# Allegro board WNS_FDM_2V1-1221P2.brd (continued)
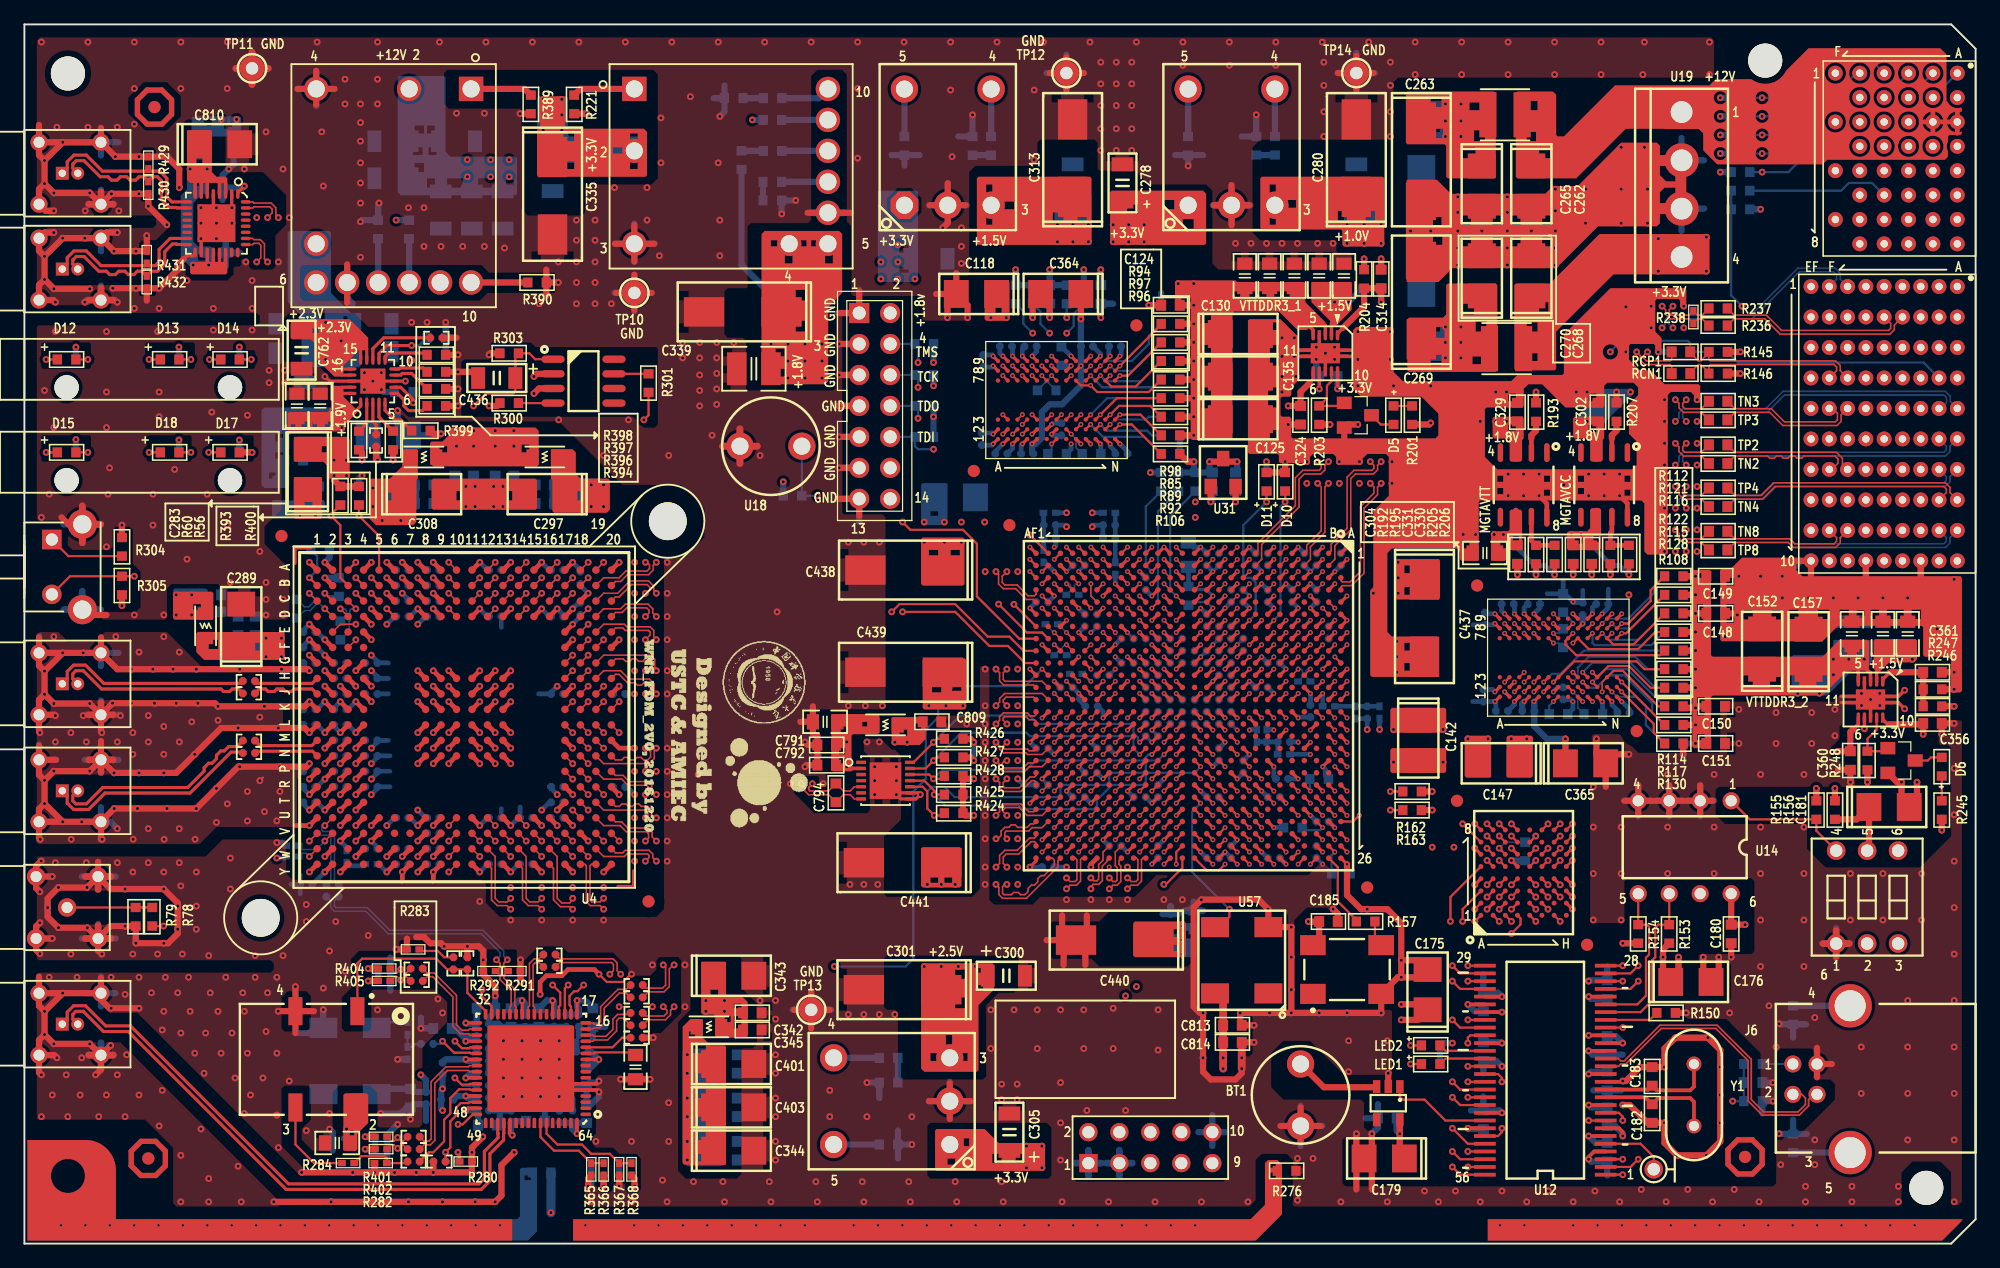
[diagram p0: board, top side]
## Routing (per net, layer and track width the routed paths; a pad name or vN(x,y) marks a point on that pad's centre or on a via; arc(x,y) is an arc through that point) (continued)
FD14: length 70.6
  TOP w0.178: U15.R22 v1(93.45,35.12) ; v2(132.33,6.92) 131.7,6.29 U12.2
  ART08 w0.119: v1(93.45,35.12) 93.45,34.82 93.92,34.35 93.92,33.85 93.68,33.61 93.17,33.61 92.96,33.4 92.96,30.73 92.33,30.1 92.33,13.24 94.65,10.92 100.11,10.92 103.03,8 107.44,8 110.11,5.33 129.67,5.33 130.68,6.35 131.76,6.35 v2(132.33,6.92)
FD15: length 71.4
  TOP w0.178: U15.U20 v1(91.45,37.12) ; U12.3 v2(131.06,6.92)
  ART08 w0.119: v1(91.45,37.12) 91.96,36.61 92.68,36.61 92.96,36.32 92.96,35.94 93.29,35.61 93.67,35.61 93.98,35.31 93.98,34.92 94.31,34.59 94.69,34.59 94.93,34.35 94.93,33.85 94.71,33.62 94.2,33.62 93.98,33.4 93.98,30.86 92.71,29.59 92.71,22.73 93.6,21.84 93.6,12.51 94.8,11.3 105.93,11.3 111.51,5.71 129.29,5.71 130.49,6.92 v2(131.06,6.92)
FIFOADR0: length 41.8
  TOP w0.178: U12.44 v2(118.36,13.27) ; U15.R20 v1(93.45,37.12)
  ART03 w0.119: v1(93.45,37.12) 93.92,36.65 94.67,36.65 95.08,36.23 95.08,35.73 95.38,35.43 95.38,34.92 96.94,33.36 96.94,32.85 97.16,32.64 97.66,32.64 97.98,32.32 97.98,30.92 100.68,28.23 102.58,28.23 105.14,25.67 111.49,25.67 114.05,23.11 114.05,17.59 v2(118.36,13.27)
FIFOADR1: length 36
  TOP w0.178: U12.45 117.73,12.64 v2(117.09,13.27) ; U15.M26 v1(97.45,31.12)
  ART08 w0.119: v1(97.45,31.12) 97.45,30.18 99.57,28.06 102.24,28.06 102.87,27.43 102.87,25.65 104.52,24 104.52,18.51 105.76,17.27 114.02,17.27 117.09,14.19 v2(117.09,13.27)
FLAGA: length 39.7
  TOP w0.178: U12.36 v2(118.36,18.35) ; U15.P16 v1(94.45,41.12)
  ART03 w0.119: v2(118.36,18.35) 118.36,18.8 116.08,21.08 116.08,23.88 111.51,28.45 106.3,28.45 104.65,30.1 103.79,30.1 102.93,30.96 102.93,31.37 102.36,31.94 102.36,32.89 101.65,33.6 101.27,33.6 100.97,33.91 100.97,34.29 100.65,34.61 100.27,34.61 99.95,34.92 99.95,35.31 98.63,36.63 98.25,36.63 97.97,36.91 97.97,37.29 97.66,37.59 97.28,37.59 96.97,37.9 96.97,38.29 96.65,38.61 96.14,38.61 95.38,39.37 95.38,40.51 94.77,41.12 v1(94.45,41.12)
FLAGB: length 42.3
  TOP w0.178: U15.R16 v1(93.45,41.12) ; v2(117.09,18.35) 117.73,17.72 U12.37
  ART03 w0.119: v1(93.45,41.12) 93.93,40.64 94.61,40.64 95,40.26 95,38.73 96.14,37.59 96.65,37.59 96.94,37.3 96.94,35.9 97.21,35.63 97.72,35.63 97.97,35.38 97.97,34.87 98.24,34.6 98.75,34.6 98.93,34.42 98.93,33.91 99.23,33.61 99.74,33.61 99.95,33.4 99.95,32.89 100.2,32.64 100.71,32.64 100.97,32.38 100.97,30.61 102.23,29.34 104.27,29.34 105.92,27.69 106.17,27.69 107.07,26.79 111.97,26.79 115.19,23.56 115.19,20.26 v2(117.09,18.35)
FLAGC: length 40
  TOP w0.178: U15.P19 v1(94.45,38.12) ; U12.38 118.54,17.08 118.36,16.9 v2(118.36,16.45)
  ART03 w0.119: v1(94.45,38.12) 94.47,38.12 95.89,36.7 95.89,35.94 96.2,35.63 96.71,35.63 96.94,35.39 96.94,34.89 97.2,34.62 97.71,34.62 97.96,34.37 97.96,33.87 98.22,33.6 98.73,33.6 98.93,33.4 98.93,32.89 99.19,32.64 99.69,32.64 99.98,32.35 99.98,30.86 101.89,28.96 104.01,28.96 105.66,27.3 106.05,27.3 106.95,26.4 111.83,26.4 114.81,23.43 114.81,19.56 117.22,17.14 117.67,17.14 v2(118.36,16.45)
FLAGD/SLCS#: length 43.8
  TOP w0.178: U12.47 117.73,11.37 v2(117.09,12) ; U15.M20 v1(97.45,37.12)
  ART03 w0.119: v1(97.45,37.12) 97.45,36.91 97.98,36.39 97.98,35.88 98.27,35.59 98.65,35.59 98.93,35.31 98.93,34.92 99.27,34.59 99.65,34.59 99.95,34.29 99.95,33.91 100.25,33.6 100.71,33.6 100.97,33.35 100.97,32.89 101.22,32.64 101.6,32.64 101.98,32.26 101.98,30.86 103.12,29.72 104.52,29.72 106.17,28.07 111.38,28.07 115.57,23.88 115.57,20.83 117.73,18.67 117.73,17.91 119,16.64 119,13.08 118.62,12.7 117.79,12.7 v2(117.09,12)
FOE_B: length 33.4
  TOP w0.178: R162.2 v2(112.01,37.08) ; U15.M17 v1(97.45,40.12) ; U17.F8 v2(124.94,34.43)
  ART08 w0.119: v2(124.94,34.43) 121.65,37.72 112.65,37.72 v2(112.01,37.08) 109.22,39.88 109.22,40.13 108.71,40.64 97.97,40.64 v1(97.45,40.12)
FPGA_CLK: length 13.1
  TOP w0.178: v2(98.81,27.43) 98.81,26.8 97.97,25.96 U57.3 ; U15.N21 v1(96.45,36.12)
  BOTTOM w0.178: v2(98.81,27.43) 95.76,30.48 95.76,35.42 v1(96.45,36.12)
FPGA_CLK3+: length 86.7
  TOP w0.124: U15.AC9 v1(85.45,49.12) ; C454.1 43.91,23.05 48.15,23.05 48.3,22.9 48.3,22.39 v2(48.01,22.1)
  ART08 w0.102: 91.11,31.78 91.11,31.8 91.05,31.86 91.05,33.39 91.19,33.52 91.8,33.52 92.05,33.77 92.05,35.58 91.05,36.58 91.05,39.39 91.19,39.52 91.8,39.52 92.05,39.77 92.05,46.47 91.8,46.72 91.11,46.72 90.11,47.72 86.01,47.72 85.05,48.68 85.05,49.02 85.16,49.12 v1(85.45,49.12)
  ART08 w0.109: v2(48.01,22.1) 48.31,21.79 48.31,21.44 48.6,21.15 89.41,21.15 90.99,22.73 90.99,26.54 91.37,26.92 91.37,31.31 91.11,31.57 91.11,31.78
  BOTTOM w0.124: R369.2 85.1,48.62 85.1,48.9 85.33,49.12 v1(85.45,49.12)
FPGA_CLK3-: length 86.2
  TOP w0.124: U15.AD9 v1(84.45,49.12) ; v2(48.9,22.1) 48.6,22.39 48.6,23.03 48.27,23.35 43.91,23.35 C453.1
  ART08 w0.102: 90.8,31.78 90.8,31.8 90.85,31.86 90.85,33.47 91.1,33.72 91.72,33.72 91.85,33.85 91.85,35.5 90.85,36.5 90.85,39.47 91.1,39.72 91.72,39.72 91.85,39.85 91.85,46.39 91.72,46.52 91.02,46.52 90.02,47.52 85.93,47.52 84.85,48.59 84.85,49.02 84.75,49.12 v1(84.45,49.12)
  ART08 w0.109: 90.8,31.78 90.8,31.44 91.06,31.18 91.06,27.05 90.68,26.67 90.68,22.86 89.28,21.46 48.73,21.46 48.62,21.57 48.62,21.82 v2(48.9,22.1)
  BOTTOM w0.124: v1(84.45,49.12) 84.58,49.12 84.8,48.9 84.8,48.62 R369.1
FPGA_PERN0: length 77.3
  TOP w0.127: U15.B5 v1(107.45,52.12)
  ART08 w0.102: v1(107.45,52.12) 107.16,52.12 107.05,52.22 107.05,52.5 106.83,52.72 104.16,52.72 103.05,53.82 103.05,57.43 103.11,57.48 103.11,57.51
  ART08 w0.109: 103.11,57.51 103.11,58.28 104.08,59.25 104.41,59.25 104.61,59.05 104.94,59.05 105.14,59.25 105.47,59.25 105.67,59.05 106,59.05 106.21,59.25 106.53,59.25 106.74,59.05 107.06,59.05 107.27,59.25 107.59,59.25 107.8,59.05 108.13,59.05 108.33,59.25 116.02,59.25 117.04,60.27 132.97,60.27 133.73,61.03 137.8,61.03 138.3,61.53 138.3,63.06 138.49,63.24 139.21,63.24 139.5,63.54 139.5,64.32 139.21,64.61 138.46,64.61 138.3,64.77 138.3,65.22 138.44,65.36 139.2,65.36 139.57,65.73 139.57,66.35 139.2,66.73 138.51,66.73 138.3,66.93 138.3,68.77 138.49,68.96 139,68.96 139.19,68.77 139.19,68.19 139.55,67.84 140.25,67.84 140.65,68.23 140.65,69.4 140.84,69.59 152.98,69.59 153.23,69.34 153.23,68.9 152.83,68.5 XJ3.D5
FPGA_PERN1: length 77.3
  TOP w0.124: U15.C3 v1(106.45,55.12)
  ART08 w0.102: 107.8,54.78 107.77,54.78 107.72,54.72 106.55,54.72 106.45,54.82 v1(106.45,55.12)
  ART08 w0.109: 107.8,54.78 108.32,54.78 108.53,54.98 108.86,54.98 109.06,54.78 109.39,54.78 109.59,54.98 109.92,54.98 110.12,54.78 111.42,54.78 111.63,54.99 111.63,55.63 111.38,55.88 109.45,55.88 109.09,56.24 109.09,57.17 109.45,57.53 122.12,57.53 122.34,57.75 122.34,58.27 122.74,58.67 123.3,58.67 123.7,58.27 123.7,57.75 123.92,57.53 124.23,57.53 124.45,57.75 124.45,58.27 124.85,58.67 125.42,58.67 125.82,58.27 125.82,57.75 126.04,57.53 128.17,57.53 128.39,57.75 128.39,58.27 128.79,58.67 129.36,58.67 129.76,58.27 129.76,57.75 129.98,57.53 130.29,57.53 130.5,57.75 130.5,58.27 130.9,58.67 131.47,58.67 131.87,58.27 131.87,57.75 132.09,57.53 132.46,57.53 132.66,57.73 132.66,58.3 133.04,58.67 133.6,58.67 133.99,58.29 133.99,58.01 134.15,57.84 137.67,57.84 137.86,58.04 137.86,58.23 138.22,58.59 138.72,58.59 139.12,58.19 139.12,57.17 139.34,56.95 139.64,56.95 139.86,57.17 139.86,58.19 140.26,58.59 140.83,58.59 141.23,58.19 141.23,57.3 141.45,57.08 141.76,57.08 141.98,57.3 141.98,58.19 142.39,58.6 144.84,58.6 145.03,58.8 145.03,59.44 144.89,59.58 143.49,59.58 143.13,59.94 143.13,60.58 143.5,60.95 144.84,60.95 145.03,61.15 145.03,61.53 144.87,61.7 143.47,61.7 143.13,62.04 143.13,62.74 143.46,63.07 144.79,63.07 145.03,63.31 145.03,64.45 145.49,64.91 148.54,64.91 148.66,65.03 148.66,65.59 148.25,66 XJ3.F6
FPGA_PERN2: length 77.2
  TOP w0.124: U15.E3 v1(104.45,55.12)
  ART08 w0.102: 104.11,57.51 104.11,57.48 104.05,57.43 104.05,54.66 104.16,54.56 104.35,54.56 104.45,54.66 v1(104.45,55.12)
  ART08 w0.109: 104.11,57.51 104.11,57.69 104.65,58.23 105.03,58.23 105.21,58.06 105.59,58.06 105.77,58.23 106.15,58.23 106.33,58.06 106.71,58.06 106.89,58.23 107.27,58.23 107.44,58.06 107.83,58.06 108,58.23 108.38,58.23 108.56,58.06 108.94,58.06 109.12,58.23 116.59,58.23 117.66,59.31 142.05,59.31 142.43,59.69 142.43,60.39 142.05,60.76 139.7,60.76 139.5,60.96 139.5,61.53 139.72,61.74 142.2,61.74 142.49,62.04 142.49,62.8 142.18,63.11 140.87,63.11 140.65,63.33 140.65,63.64 140.87,63.86 143.29,63.86 143.64,64.2 143.64,64.9 143.31,65.23 140.87,65.23 140.65,65.44 140.65,65.84 140.84,66.04 143.06,66.04 144.12,67.09 153,67.09 153.23,66.86 153.23,66.49 152.74,66 XJ3.D6
FPGA_PERN3: length 77.3
  TOP w0.124: U15.G3 v1(102.45,55.12)
  ART10 w0.102: 97.11,57.51 97.11,57.48 97.05,57.43 97.05,53.82 97.16,53.72 101.69,53.72 101.85,53.88 101.85,54.29 102.07,54.51 102.32,54.51 102.45,54.64 v1(102.45,55.12)
  ART10 w0.109: 97.11,57.51 97.11,58.21 97.29,58.39 97.29,58.77 97.11,58.95 97.11,59.33 97.38,59.6 97.63,59.6 97.9,59.87 97.9,60.12 98.42,60.65 98.42,61.18 98.6,61.36 98.6,61.74 98.42,61.92 98.42,62.36 99.19,63.12 99.63,63.12 99.81,62.94 100.19,62.94 100.37,63.12 112.39,63.12 115.57,66.29 124.71,66.29 125.41,66.99 125.41,67.43 126.11,68.14 142.04,68.14 145.59,64.59 153.02,64.59 153.23,64.39 153.23,63.95 152.78,63.5 XJ3.D7
FPGA_PERN4: length 77.2
  TOP w0.124: U15.J3 v1(100.45,55.12)
  ART10 w0.102: v1(100.45,55.12) 100.45,54.82 100.55,54.72 100.73,54.72 100.85,54.84 100.85,55.39 100.8,55.45 100.8,55.47
  ART10 w0.109: 100.8,55.47 100.8,55.77 101.41,56.39 101.41,57.79 102.74,59.11 117.35,59.11 117.54,59.31 117.54,61.41 117.91,61.78 118.62,61.78 119,61.4 119,59.44 119.19,59.24 119.57,59.24 119.77,59.44 119.77,59.95 120.14,60.33 120.77,60.33 121.18,59.92 121.18,59.46 121.39,59.24 121.7,59.24 121.92,59.46 121.92,59.92 122.32,60.33 122.89,60.33 123.29,59.92 123.29,59.46 123.51,59.24 123.81,59.24 124.03,59.46 124.03,59.92 124.43,60.33 125,60.33 125.4,59.92 125.4,59.46 125.62,59.24 125.93,59.24 126.15,59.46 126.15,59.92 126.55,60.33 127.09,60.33 127.49,59.92 127.49,59.46 127.71,59.24 128.02,59.24 128.24,59.46 128.24,59.92 128.64,60.33 129.21,60.33 129.61,59.92 129.61,59.46 129.82,59.24 130.13,59.24 130.35,59.46 130.35,59.99 130.68,60.33 132.27,60.33 133.22,61.27 137.99,61.27 138.36,60.9 138.36,60.07 138.53,59.91 139.03,59.91 139.19,60.06 139.19,61.72 139.57,62.1 140.21,62.1 140.55,61.76 140.55,60.12 140.77,59.91 141.08,59.91 141.3,60.12 141.3,61.73 141.67,62.1 142.3,62.1 142.67,61.74 142.67,60.12 142.89,59.91 143.19,59.91 143.41,60.12 143.41,60.86 143.76,61.21 144.4,61.21 144.78,60.83 144.78,60.12 145,59.91 148.36,59.91 148.66,60.2 148.66,60.64 148.3,61 XJ3.F8
FPGA_PERN5: length 77.2
  TOP w0.124: U15.L3 v1(98.45,55.12)
  ART10 w0.102: 98.11,57.4 98.11,57.37 98.05,57.32 98.05,54.67 98.16,54.57 98.35,54.57 98.45,54.67 v1(98.45,55.12)
  ART10 w0.109: XJ3.D8 152.82,61 153.23,61.41 153.23,61.85 152.98,62.09 145.04,62.09 144.47,62.67 144.47,64.07 142.55,65.98 141.93,65.98 141.31,65.37 140.54,65.37 140.05,65.85 139.61,65.85 139.12,65.37 138.47,65.37 138.05,65.79 138.05,66.17 137.85,66.36 133.65,66.36 133.43,66.14 133.43,65.68 133.03,65.28 132.47,65.28 132.06,65.68 132.06,66.78 131.85,67 131.54,67 131.32,66.78 131.32,65.68 130.92,65.28 130.35,65.28 129.95,65.68 129.95,66.78 129.73,67 129.42,67 129.21,66.78 129.21,65.68 128.81,65.28 128.24,65.28 127.84,65.68 127.84,66.14 127.62,66.36 126.49,66.36 126.3,66.16 126.3,65.78 125.86,65.35 116.78,65.35 112.65,61.21 104.39,61.21 103.89,61.72 103.39,61.72 103.21,61.54 102.83,61.54 102.65,61.72 102.27,61.72 102.09,61.54 101.71,61.54 101.53,61.72 101.15,61.72 100.71,61.28 100.71,60.71 100.44,60.44 100.44,60.19 100.17,59.92 99.92,59.92 99.65,59.65 99.65,59.39 99.38,59.13 99.13,59.13 98.11,58.1 98.11,57.4
FPGA_PERN6: length 77.4
  TOP w0.124: U15.N3 v1(96.45,55.12)
  ART08 w0.102: v1(96.45,55.12) 96.45,54.82 96.55,54.72 97.81,54.72 98.05,54.47 98.05,51.92 98.25,51.72 107.72,51.72 107.77,51.78 107.8,51.78
  ART08 w0.109: XJ3.D9 152.83,58.5 153.23,58.1 153.23,57.57 153.07,57.41 145.36,57.41 144.98,57.03 144.98,56.08 144.78,55.88 144.46,55.88 144.27,56.07 144.27,57.28 143.96,57.59 143.31,57.59 143,57.28 143,56.01 142.88,55.88 141.67,55.88 141.29,55.5 141.29,54.42 141.03,54.16 139.57,54.16 139.35,54.38 139.35,55.61 138.95,56.01 138.38,56.01 137.98,55.61 137.98,54.38 137.76,54.16 136.09,54.16 135.89,54.36 135.89,55.65 135.53,56.01 135,56.01 134.62,55.63 134.62,55.24 134.42,55.05 134.11,55.05 133.92,55.25 133.92,56.26 133.54,56.64 114.37,56.64 113.48,55.76 113.48,53.36 112.88,52.76 108.94,52.76 108.71,52.53 108.42,52.53 108.19,52.3 108.19,52.01 107.95,51.78 107.8,51.78
FPGA_PERN7: length 77.4
  TOP w0.124: U15.R3 v1(93.45,55.12)
  ART08 w0.102: 108.81,50.78 108.79,50.78 108.73,50.72 96.09,50.72 95.83,50.98 95.83,51.87 95.2,52.5 95.2,54.31 94.79,54.72 93.55,54.72 93.45,54.82 v1(93.45,55.12)
  ART08 w0.109: 108.81,50.78 108.97,50.78 110.13,51.94 113.22,51.94 114.5,53.22 114.5,55.25 114.87,55.63 115.5,55.63 115.91,55.22 115.91,54.98 116.09,54.8 116.35,54.8 116.53,54.98 116.53,55.26 116.89,55.63 117.41,55.63 117.77,55.26 117.77,54.98 117.95,54.8 118.21,54.8 118.39,54.98 118.39,55.39 118.75,55.75 119.25,55.75 119.61,55.39 119.61,55.23 119.79,55.05 120.05,55.05 120.23,55.23 120.23,55.39 120.59,55.75 132.27,55.75 132.65,55.37 132.65,52.77 132.84,52.58 133.1,52.58 133.28,52.76 133.28,53.7 133.68,54.1 134.25,54.1 134.65,53.7 134.65,52.93 135,52.58 137.88,52.58 138.39,53.09 139.07,53.09 139.58,52.58 140,52.58 140.5,53.09 141.18,53.09 141.69,52.58 142.37,52.58 142.56,52.77 142.56,53.6 142.94,53.98 144.81,53.98 145,54.16 145,54.5 145.36,54.86 145.87,54.86 146.24,54.5 146.24,54.16 146.42,53.98 146.67,53.98 146.85,54.16 146.85,54.5 147.22,54.86 147.73,54.86 148.1,54.5 148.1,54.16 148.28,53.98 148.59,53.98 148.79,54.17 148.79,55.43 148.22,56 XJ3.F10
FPGA_PERP0: length 77.4
  TOP w0.127: U15.B6 v1(106.45,52.12)
  ART08 w0.102: v1(106.45,52.12) 106.75,52.12 106.85,52.22 106.85,52.42 106.75,52.52 104.07,52.52 102.85,53.74 102.85,57.43 102.8,57.48 102.8,57.51
  ART08 w0.109: XJ3.C5 153.54,68.96 153.54,69.47 153.11,69.91 140.71,69.91 140.34,69.53 140.34,68.36 140.12,68.15 139.67,68.15 139.5,68.32 139.5,68.9 139.13,69.27 138.36,69.27 137.99,68.9 137.99,66.8 138.38,66.41 139.07,66.41 139.26,66.23 139.26,65.85 139.08,65.67 138.31,65.67 137.99,65.35 137.99,64.64 138.33,64.3 139.08,64.3 139.19,64.19 139.19,63.67 139.08,63.56 138.36,63.56 137.99,63.19 137.99,61.66 137.67,61.34 133.6,61.34 132.84,60.58 116.91,60.58 115.89,59.56 103.95,59.56 102.8,58.41 102.8,57.51
FPGA_PERP1: length 77.3
  TOP w0.124: U15.C4 v1(106.45,54.12)
  ART08 w0.102: 107.8,54.46 107.77,54.46 107.72,54.52 106.55,54.52 106.45,54.42 v1(106.45,54.12)
  ART08 w0.109: 107.8,54.46 111.55,54.46 111.95,54.86 111.95,55.76 111.51,56.19 109.58,56.19 109.41,56.37 109.41,57.04 109.58,57.22 122.25,57.22 122.65,57.62 122.65,58.14 122.87,58.36 123.17,58.36 123.39,58.14 123.39,57.62 123.79,57.22 124.36,57.22 124.76,57.62 124.76,58.14 124.98,58.36 125.29,58.36 125.51,58.14 125.51,57.62 125.91,57.22 128.3,57.22 128.7,57.62 128.7,58.14 128.92,58.36 129.23,58.36 129.45,58.14 129.45,57.62 129.85,57.22 130.41,57.22 130.82,57.62 130.82,58.14 131.03,58.36 131.34,58.36 131.56,58.14 131.56,57.62 131.96,57.22 132.59,57.22 132.97,57.6 132.97,58.17 133.16,58.36 133.47,58.36 133.67,58.16 133.67,57.88 134.02,57.53 137.79,57.53 138.18,57.91 138.18,58.11 138.35,58.28 138.59,58.28 138.81,58.06 138.81,57.04 139.21,56.64 139.77,56.64 140.18,57.04 140.18,58.06 140.39,58.28 140.7,58.28 140.92,58.06 140.92,57.17 141.32,56.77 141.89,56.77 142.29,57.17 142.29,58.06 142.52,58.29 144.97,58.29 145.35,58.67 145.35,59.57 145.02,59.9 143.62,59.9 143.44,60.07 143.44,60.45 143.63,60.64 144.97,60.64 145.35,61.02 145.35,61.66 145,62.01 143.6,62.01 143.44,62.17 143.44,62.61 143.59,62.75 144.92,62.75 145.35,63.18 145.35,64.32 145.62,64.59 148.67,64.59 148.97,64.9 148.97,65.47 XJ3.E6
FPGA_PERP2: length 77.4
  TOP w0.124: U15.E4 v1(104.45,54.12)
  ART08 w0.102: 103.8,57.51 103.8,57.48 103.85,57.43 103.85,54.58 104.07,54.36 104.22,54.36 v1(104.45,54.12)
  ART08 w0.109: XJ3.C6 153.54,66.46 153.54,66.99 153.13,67.41 143.99,67.41 142.93,66.35 140.71,66.35 140.34,65.97 140.34,65.32 140.74,64.91 143.18,64.91 143.32,64.77 143.32,64.33 143.16,64.17 140.74,64.17 140.34,63.77 140.34,63.2 140.74,62.8 142.05,62.8 142.18,62.67 142.18,62.17 142.07,62.06 139.59,62.06 139.19,61.66 139.19,60.83 139.57,60.45 141.93,60.45 142.11,60.26 142.11,59.82 141.92,59.62 117.53,59.62 116.46,58.55 104.52,58.55 103.8,57.82 103.8,57.51
FPGA_PERP3: length 77.4
  TOP w0.124: U15.G4 v1(102.45,54.12)
  ART10 w0.102: 96.8,57.51 96.8,57.48 96.85,57.43 96.85,53.74 97.07,53.52 101.78,53.52 102.05,53.79 102.05,54.2 102.16,54.31 102.27,54.31 v1(102.45,54.12)
  ART10 w0.109: XJ3.C7 153.54,63.96 153.54,64.52 153.15,64.91 145.72,64.91 142.17,68.45 125.98,68.45 125.09,67.56 125.09,67.12 124.58,66.61 115.44,66.61 112.27,63.43 99.06,63.43 98.11,62.49 98.11,60.77 96.8,59.46 96.8,57.51
FPGA_PERP4: length 77.4
  TOP w0.124: U15.J4 v1(100.45,54.12)
  ART10 w0.102: 101.11,55.47 101.11,55.45 101.05,55.39 101.05,54.76 100.82,54.52 100.55,54.52 100.45,54.42 v1(100.45,54.12)
  ART10 w0.109: XJ3.E8 148.97,60.47 148.97,60.07 148.49,59.59 144.87,59.59 144.47,59.99 144.47,60.7 144.27,60.9 143.89,60.9 143.72,60.73 143.72,59.99 143.32,59.59 142.76,59.59 142.36,59.99 142.36,61.61 142.17,61.79 141.8,61.79 141.61,61.6 141.61,59.99 141.21,59.59 140.64,59.59 140.24,59.99 140.24,61.63 140.08,61.79 139.7,61.79 139.5,61.59 139.5,59.94 139.16,59.59 138.4,59.59 138.05,59.94 138.05,60.77 137.86,60.96 133.35,60.96 132.4,60.01 130.81,60.01 130.66,59.86 130.66,59.33 130.26,58.93 129.7,58.93 129.29,59.33 129.29,59.79 129.08,60.01 128.77,60.01 128.55,59.79 128.55,59.33 128.15,58.93 127.58,58.93 127.18,59.33 127.18,59.79 126.96,60.01 126.68,60.01 126.46,59.79 126.46,59.33 126.06,58.93 125.49,58.93 125.09,59.33 125.09,59.79 124.87,60.01 124.56,60.01 124.35,59.79 124.35,59.33 123.94,58.93 123.38,58.93 122.98,59.33 122.98,59.79 122.76,60.01 122.45,60.01 122.23,59.79 122.23,59.33 121.83,58.93 121.26,58.93 120.86,59.33 120.86,59.79 120.64,60.01 120.27,60.01 120.08,59.82 120.08,59.31 119.69,58.93 119.07,58.93 118.69,59.31 118.69,61.27 118.49,61.47 118.04,61.47 117.86,61.28 117.86,59.18 117.48,58.8 102.87,58.8 101.73,57.66 101.73,56.26 101.11,55.64 101.11,55.47
FPGA_PERP5: length 77.3
  TOP w0.124: U15.L4 v1(98.45,54.12)
  ART10 w0.102: 97.8,57.4 97.8,57.37 97.85,57.32 97.85,54.59 98.07,54.37 98.21,54.37 v1(98.45,54.12)
  ART10 w0.109: XJ3.C8 153.54,61.46 153.54,61.98 153.11,62.41 145.17,62.41 144.78,62.8 144.78,64.2 142.68,66.29 141.8,66.29 141.18,65.68 140.67,65.68 140.18,66.17 139.48,66.17 138.99,65.68 138.6,65.68 138.36,65.92 138.36,66.3 137.98,66.67 133.52,66.67 133.12,66.27 133.12,65.81 132.9,65.59 132.59,65.59 132.38,65.81 132.38,66.91 131.98,67.31 131.41,67.31 131.01,66.91 131.01,65.81 130.79,65.59 130.48,65.59 130.26,65.81 130.26,66.91 129.86,67.31 129.3,67.31 128.89,66.91 128.89,65.81 128.68,65.59 128.37,65.59 128.15,65.81 128.15,66.27 127.75,66.67 126.36,66.67 125.98,66.29 125.98,65.91 125.73,65.66 116.65,65.66 112.52,61.53 104.52,61.53 104.02,62.03 101.02,62.03 100.4,61.41 100.4,60.84 97.8,58.23 97.8,57.4
FPGA_PERP6: length 77.5
  TOP w0.124: U15.N4 v1(96.45,54.12)
  ART08 w0.102: v1(96.45,54.12) 96.45,54.42 96.56,54.52 97.72,54.52 97.85,54.39 97.85,51.83 98.17,51.52 107.72,51.52 107.77,51.46 107.8,51.46
  ART08 w0.109: XJ3.C9 153.54,58.04 153.54,57.44 153.2,57.09 145.49,57.09 145.29,56.9 145.29,55.95 144.91,55.57 144.33,55.57 143.96,55.94 143.96,57.15 143.83,57.28 143.44,57.28 143.31,57.15 143.31,55.88 143,55.57 141.8,55.57 141.6,55.37 141.6,54.3 141.16,53.85 139.44,53.85 139.04,54.25 139.04,55.48 138.82,55.69 138.51,55.69 138.29,55.48 138.29,54.25 137.89,53.85 135.96,53.85 135.58,54.23 135.58,55.52 135.4,55.69 135.13,55.69 134.93,55.5 134.93,55.12 134.55,54.74 133.99,54.74 133.6,55.12 133.6,56.13 133.41,56.33 114.5,56.33 113.79,55.63 113.79,53.23 113.01,52.45 109.07,52.45 108.08,51.46 107.8,51.46
FPGA_PERP7: length 77.5
  TOP w0.124: U15.R4 v1(93.45,54.12)
  ART08 w0.102: v1(93.45,54.12) 93.85,54.52 94.71,54.52 95,54.23 95,52.42 95.63,51.78 95.63,50.89 96.01,50.52 108.73,50.52 108.79,50.46 108.81,50.46
  ART08 w0.109: XJ3.E10 149.1,55.6 149.1,54.04 148.72,53.66 148.15,53.66 147.78,54.03 147.78,54.37 147.6,54.55 147.35,54.55 147.17,54.37 147.17,54.03 146.8,53.66 146.29,53.66 145.93,54.03 145.93,54.37 145.74,54.55 145.49,54.55 145.31,54.37 145.31,54.03 144.94,53.66 143.07,53.66 142.88,53.47 142.88,52.64 142.5,52.27 141.56,52.27 141.05,52.77 140.63,52.77 140.13,52.27 139.45,52.27 138.94,52.77 138.52,52.77 138.01,52.27 134.87,52.27 134.34,52.8 134.34,53.57 134.12,53.79 133.81,53.79 133.59,53.57 133.59,52.63 133.23,52.27 132.71,52.27 132.33,52.64 132.33,55.25 132.14,55.44 120.72,55.44 120.54,55.26 120.54,55.1 120.18,54.74 119.66,54.74 119.3,55.1 119.3,55.26 119.12,55.44 118.88,55.44 118.7,55.26 118.7,54.85 118.34,54.48 117.82,54.48 117.46,54.85 117.46,55.13 117.28,55.31 117.02,55.31 116.84,55.13 116.84,54.85 116.48,54.48 115.96,54.48 115.6,54.85 115.6,55.09 115.37,55.31 115,55.31 114.81,55.12 114.81,53.09 113.35,51.63 110.26,51.63 109.1,50.46 108.81,50.46
FPGA_PERSTN: length 76.9
  TOP w0.178: U15.M19 v1(97.45,38.12)
  ART03 w0.119: v2(96.01,60.83) 93.98,58.8 93.98,55.88 94.23,55.63 94.74,55.63 95.25,55.12 95.25,41.66 95.89,41.02 95.89,39.88 96.14,39.62 96.65,39.62 96.98,39.29 96.98,38.91 97.45,38.44 v1(97.45,38.12)
  ART08 w0.119: v2(96.01,60.83) 96.54,61.36 96.54,65.17 99.12,67.75 108.52,67.75 110.11,69.34 115.95,69.34 119.75,73.14 v2(130.05,73.14)
  BOTTOM w0.178: v2(130.05,73.14) 130.95,74.04 136.4,74.04 136.6,73.84 R299.1 R298.1
FPGA_PETN0: length 57.2
  TOP w0.124: v2(110.36,62.36) 110.66,62.06 110.66,61.55 109.55,60.45 109.55,55.12 108.71,54.27 108.08,54.27 107.95,54.4 U15.A3
  ART08 w0.109: v2(136.27,67.44) 136.14,67.44 135.82,67.76 135.82,68.16 135.53,68.45 133.99,68.45 133.79,68.65 133.79,69.47 133.41,69.85 132.78,69.85 132.42,69.49 132.42,67.91 132.21,67.69 131.83,67.69 131.63,67.89 131.63,68.84 131.25,69.22 130.62,69.22 130.26,68.86 130.26,67.91 130.05,67.69 129.67,67.69 129.47,67.89 129.47,68.9 129.09,69.28 128.46,69.28 128.1,68.92 128.1,68.73 127.83,68.45 127.51,68.45 127.31,68.65 127.31,68.9 126.93,69.28 126.3,69.28 125.95,68.92 125.95,67.78 125.73,67.56 125.35,67.56 125.15,67.76 125.15,68.84 124.77,69.22 124.15,69.22 123.79,68.86 123.79,67.78 123.57,67.56 123.19,67.56 122.99,67.76 122.99,68.84 122.62,69.22 121.99,69.22 121.63,68.86 121.63,68.67 121.41,68.45 121.03,68.45 120.84,68.65 120.84,68.84 120.46,69.22 119.83,69.22 114.55,63.94 114.3,63.94 113.81,64.43 113.2,64.43 112.84,64.08 112.84,63.57 112.65,63.37 111.13,63.37 110.74,62.99 110.74,62.61 110.49,62.36 v2(110.36,62.36)
  BOTTOM w0.124: v2(136.27,67.44) 135.98,67.73 135.98,68.03 136.12,68.17 137.51,68.17 TN1.1
FPGA_PETN1: length 66.1
  TOP w0.124: U15.B1 107.15,56.82 107.15,57.37 108.46,58.67 108.46,62.87 109.01,63.42 110.49,63.42 110.66,63.59 110.66,63.84 v2(110.36,64.14) ; v2(136.27,69.22) 135.98,68.92 135.98,68.67 136.17,68.48 137.51,68.48 TN3.1
  ART08 w0.109: v2(136.27,69.22) 136.14,69.22 135.82,69.54 135.82,69.91 135.96,70.05 139.58,70.05 139.95,70.42 139.95,72.52 139.57,72.9 138.59,72.9 138.18,72.5 138.18,71.44 138.05,71.31 137.61,71.31 137.44,71.47 137.44,72.55 137.09,72.9 136.46,72.9 136.14,72.58 136.14,71.5 135.95,71.31 135.58,71.31 135.4,71.48 135.4,72.05 135.06,72.39 134.31,72.39 134.02,72.1 134.02,70.96 133.86,70.8 133.35,70.8 133.23,70.92 133.23,71.24 132.84,71.63 132.21,71.63 131.86,71.28 131.86,70.96 131.7,70.8 131.19,70.8 131.07,70.92 131.07,71.24 130.68,71.63 130.05,71.63 129.7,71.28 129.7,70.96 129.54,70.8 129.03,70.8 128.91,70.92 128.91,71.24 128.52,71.63 127.89,71.63 127.54,71.28 127.54,70.96 127.38,70.8 126.88,70.8 126.75,70.92 126.75,71.24 126.36,71.63 125.73,71.63 125.38,71.28 125.38,70.96 125.22,70.8 124.72,70.8 124.59,70.92 124.59,71.24 124.21,71.63 123.57,71.63 123.22,71.28 123.22,70.96 123.06,70.8 122.56,70.8 122.43,70.92 122.43,71.24 122.05,71.63 121.41,71.63 121.06,71.28 121.06,70.96 120.9,70.8 120.14,70.8 114.75,65.41 113.38,65.41 113.17,65.61 112.84,65.61 112.64,65.41 112.31,65.41 112.11,65.61 111.78,65.61 111.58,65.41 111.25,65.41 110.81,64.97 110.81,64.46 110.49,64.14 v2(110.36,64.14)
FPGA_PETN2: length 57.9
  TOP w0.124: v2(106.05,62.36) 106.34,62.06 106.34,58.46 105.15,57.27 105.15,56.82 U15.D1
  ART08 w0.109: v2(106.05,62.36) 106.17,62.36 106.49,62.03 106.49,60.69 106.86,60.33 107.18,60.33 107.39,60.12 107.71,60.12 107.92,60.33 108.24,60.33 108.45,60.12 108.78,60.12 108.98,60.33 109.31,60.33 109.51,60.12 109.84,60.12 110.04,60.33 110.37,60.33 110.57,60.12 110.9,60.12 111.1,60.33 111.43,60.33 111.63,60.12 111.96,60.12 112.16,60.33 115.44,60.33 116.33,61.21 120.33,61.21 120.78,61.66 120.78,64.39 120.97,64.58 121.47,64.58 121.65,64.4 121.65,64.09 121.99,63.75 122.68,63.75 123.02,64.1 123.02,64.42 123.19,64.58 123.63,64.58 123.77,64.45 123.77,64.13 124.15,63.75 124.77,63.75 125.14,64.12 125.14,64.43 125.29,64.58 125.79,64.58 125.93,64.45 125.93,63.5 126.3,63.12 126.93,63.12 127.34,63.53 127.34,64.42 127.51,64.58 127.89,64.58 128.09,64.38 128.09,64.13 128.46,63.75 129.09,63.75 129.46,64.12 129.46,64.43 129.61,64.58 130.05,64.58 130.2,64.43 130.2,64.11 130.56,63.75 131.19,63.75 131.57,64.13 131.57,64.45 131.7,64.58 132.2,64.58 132.37,64.42 132.37,62.2 132.72,61.85 133.41,61.85 133.74,62.18 133.74,64.37 133.96,64.58 135.63,64.58 135.76,64.46 135.76,64.13 135.49,63.86 v2(135.38,63.86)
  BOTTOM w0.124: TN5.1 137.51,64.9 135.99,64.9 135.68,64.58 135.68,64.15 v2(135.38,63.86)
